# Altium PCB power-v3.1.PcbDoc (part 2 of 3) (continued)
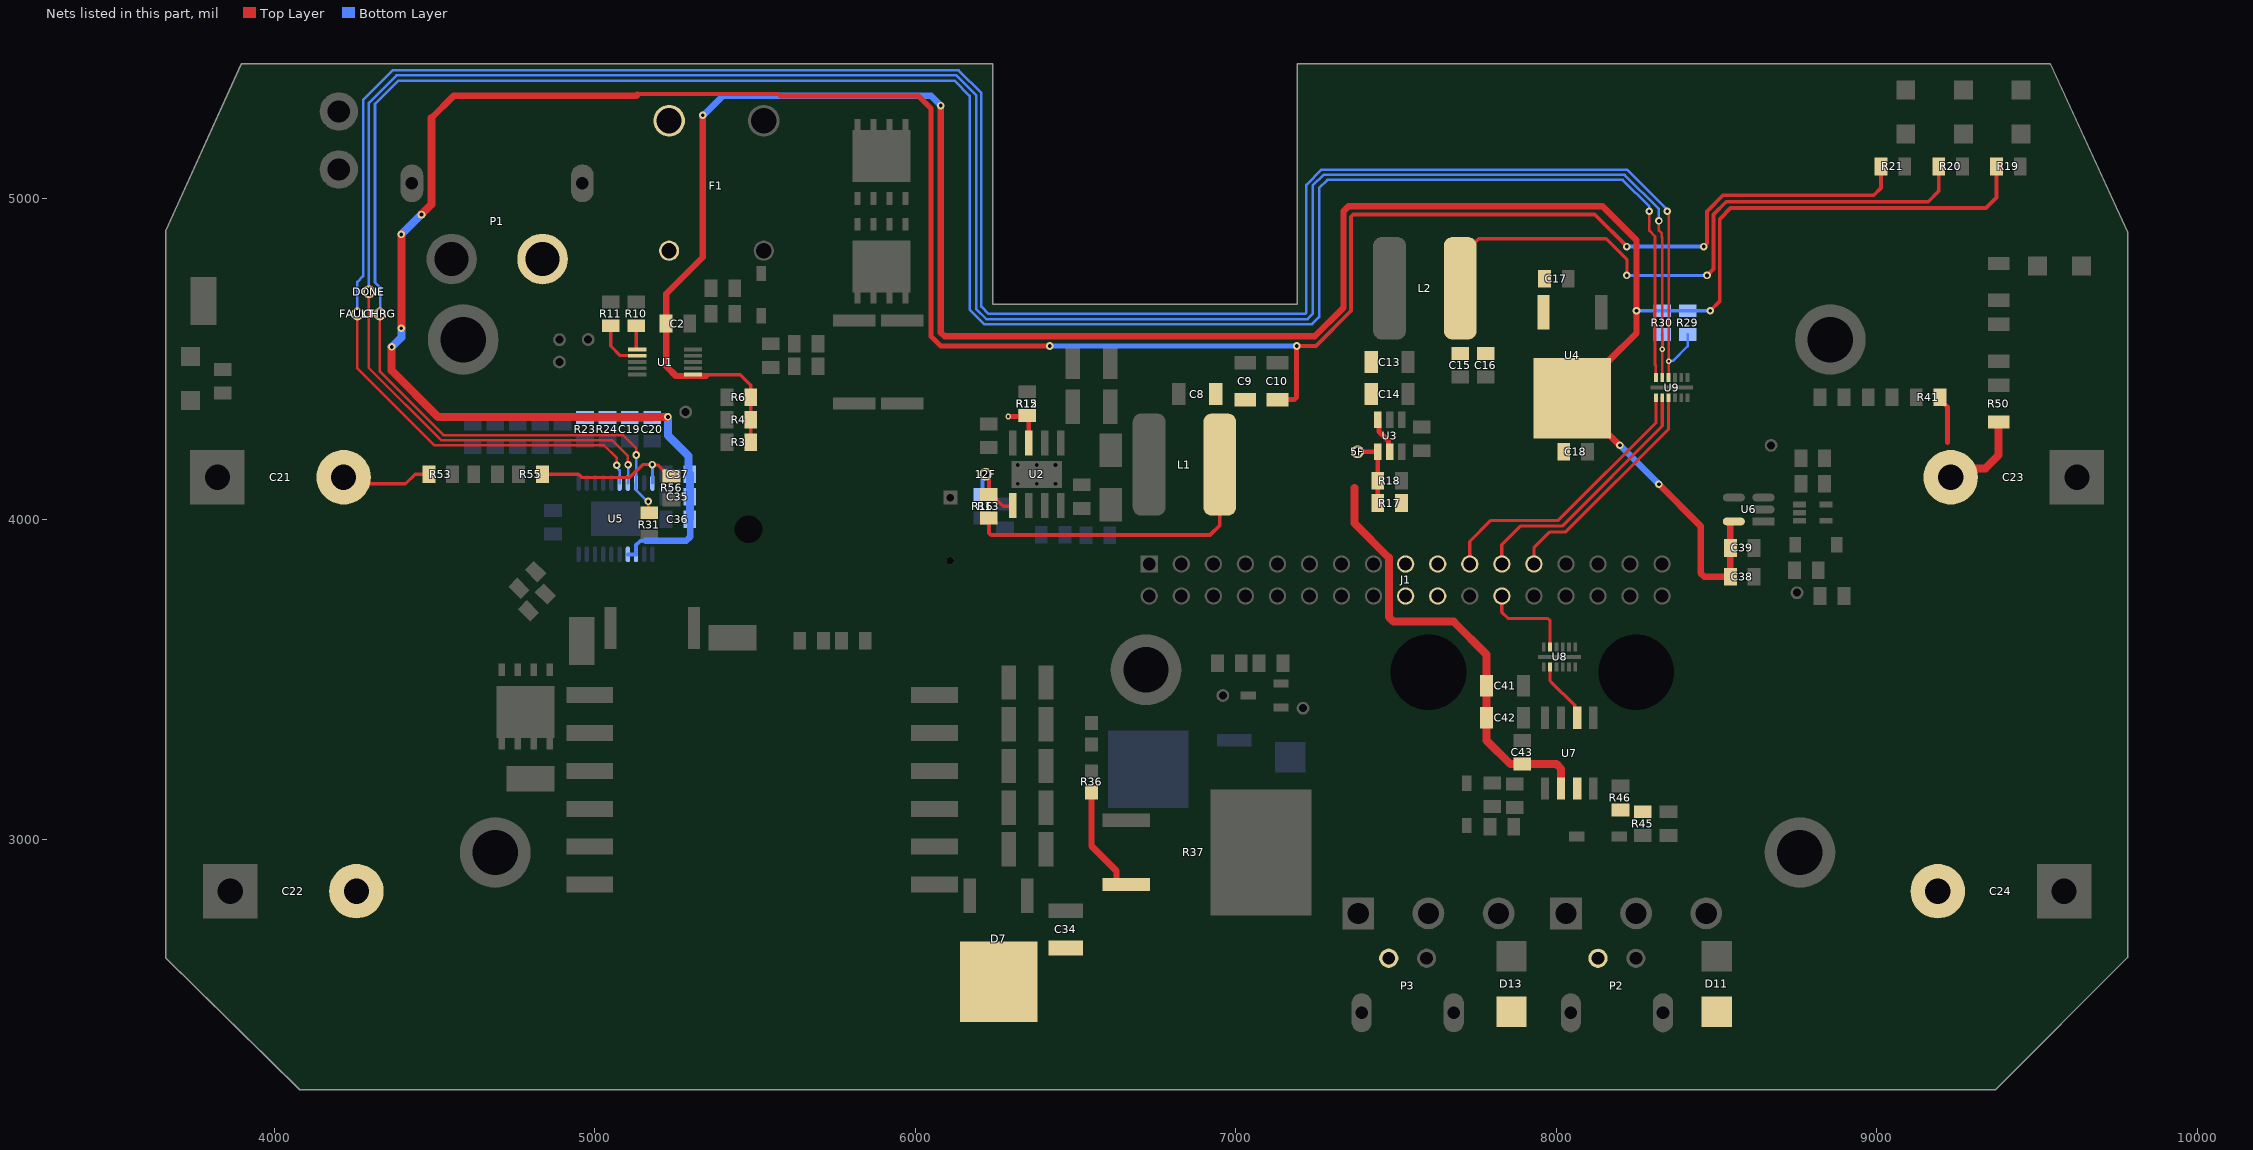
[diagram p2: the nets of this part, all layers, seen from the top]
## Part data (continued)
Q5: "Small Signal N-Ch, 600Vds", MFG="Diodes Incorporated", Supplier=Digikey, Supplier PN=BSS127SSN-7DICT-ND
Q6 Q7: "IGBT Field Stop 600V 150A 750W Through Hole PowerTO-247-3", Package="TO-247 Fairchild Semiconductor", Power=750W, Supplier Part Number 1=FGY75N60SMDFS-ND, Ic max=150A, MF="ON Semiconductor", MP=FGY75N60SMD, Supplier 1=Digi-Key, Topology="Field Stop IGBT", Vce max=600V, Vge max=±20V
R1 R2 R28 R29 R30 R40 R53 R54 R55: library part "RES 100k 1/8W - 1%", "RES SMD 100K OHM 1% 1/8W 0805", Package=0805, Power (Watts)=0.125W, Tolerance=1%
R3 R4 R6 R10 R11 R14 R18 R31 R46 R48: library part "RES 10k 1/8W - 1%", "RES SMD 10K OHM 1% 1/8W 0805", Package=0805, Power (Watts)=0.125W, Tolerance=1%
R5 R9: library part "RES 10.0 1/8W - 1%", "RES SMD 10.0 OHM 1% 1/8W 0805", Package=0805, Power (Watts)=0.125W, Tolerance=1%
R7 R8: library part "RES 2m 1W", "RES SMD 2m OHM 1% 1W 1206", Package=1206, Power (Watts)=1W, Tolerance=1%, Resistance=2mOHM
R12: library part "RES 169k 1/8W", "RES SMD 169K OHM 1% 1/8W 0805", Package=0805, Power (Watts)=0.125W, Tolerance=1%, ComponentLink1Description=digikey, ComponentLink1URL=https://www.digikey.ca/en/products/detail/yageo/RC0805FR-07169KL/727634
R13: library part "RES 10.2k 1/8W", "RES SMD 10.2K OHM 1% 1/8W 0805", Package=0805, Power (Watts)=0.125W, Tolerance=1%, ComponentLink1Description=digikey, ComponentLink1URL=https://www.digikey.ca/en/products/detail/panasonic-electronic-components/ERJ-6ENF1022V/111476
R15: library part "RES 18.7K 1/8W", "RES SMD 18.7K OHM 1% 1/8W 0805", Alternative Package=1206, Package=0805, Power (Watts)=0.125W, Tolerance=1%
R16: library part "RES 732.0 1/8W", "RES SMD 732 OHM 1% 1/8W 0805", Package=0805, Power (Watts)=0.125W, Tolerance=1%
R17: library part "RES 56.2k 1/10W", "RES SMD 56.2K OHM 1% 1/10W 0603", Package=0603, Power (Watts)=0.1W, Tolerance=1%
R19 R45 R47: library part "RES 110.0 1/8W - 1%", "RES SMD 110 OHM 1% 1/8W 0805", Package=0805, Power (Watts)=0.125W, Tolerance=1%
R20: library part "RES 270.0 1/8W", "RES SMD 270 OHM 5% 1/8W 0805", Package=0805, Power (Watts)=0.125W, Tolerance=5%
R21: library part "RES 1k 1/8W", "RES SMD 1K OHM 5% 1/8W 0805", Package=0805, Power (Watts)=0.125W, Tolerance=5%
R22: library part "RES 1.96k 1/8W", "RES SMD 1.96K OHM 1% 1/8W 0805", Package=0805, Power (Watts)=0.125W, Tolerance=1%
R23: library part "RES 174k 1/8W", "RES SMD 174K OHM 1% 1/8W 0805", Case Code (Imperial)=0805, Case Code (Metric)=2012, Manufacturer=Yageo, Manufacturer Part Number=RC0805FR-07174KL, Max Operating Temperature=155°C, Max Power Dissipation=125mW, Min Operating Temperature=-55°C, Package Quantity=1, Resistance=174kR, Supplier Part Number 1=311-174KCRCT-ND, Temperature Coefficient=100ppm/°C, Tolerance=1%, Voltage Rating=150V, Case/Package=0805, Category="Chip SMD Resistors", ComponentLink1Description=https://datasheet.ciiva.com/2509/pyu-r-int-thick-7-2509472.pdf?src-supplier=Digi-Key, ComponentLink1URL=https://datasheet.ciiva.com/2509/pyu-r-int-thick-7-2509472.pdf?src-supplier=Digi-Key, ComponentLink2Description=https://datasheet.ciiva.com/2509/pyu-r-int-thick-7-2509471.pdf?src-supplier=Digi-Key, ComponentLink2URL=https://datasheet.ciiva.com/2509/pyu-r-int-thick-7-2509471.pdf?src-supplier=Digi-Key, ComponentLink3Description=https://datasheet.ciiva.com/2509/pyu-r-int-thick-7-2509473.pdf?src-supplier=Digi-Key, ComponentLink3URL=https://datasheet.ciiva.com/2509/pyu-r-int-thick-7-2509473.pdf?src-supplier=Digi-Key, Composition="Thick Film", Contact Plating=Tin,Matte, Depth=1.25mm, Features="Moisture Resistant", Height=0.024inch, Lead Free="Lead Free", Length=2mm, Military Standard=Not, Number of Terminations=2, Packaging="Tape and Reel", Power Rating=125mW, Pricing 1="1=0.10000, 10=0.04000, 100=0.01630, 1000=0.00731, 2500=0.00635 (USD)", Radiation Hardening=No, RoHS=Yes, Stock 1=27863, Supplier 1=Digi-Key, Termination=SMD/SMT, Voltage Rating (DC)=150V, Width=0.049inch
R24: library part "RES 255k 0805", "0805 Resistor, 6A, 0.125W, 25ppm, 0.1%, 255K", Case Code (Imperial)=0805, Case Code (Metric)=2012, Manufacturer=Panasonic, Manufacturer Part Number=ERA-6AEB2553V, Max Operating Temperature=155°C, Max Power Dissipation=125mW, Min Operating Temperature=-55°C, Package Quantity=1, Resistance=255kR, Supplier Part Number 1=P255KDACT-ND, Temperature Coefficient=25ppm/°C, Tolerance=0.1%, Voltage Rating=200V, Voltage Rating (DC)=100V, Case/Package=0805, Category="Chip SMD Resistors", ComponentLink1Description=https://datasheet.ciiva.com/11810/0900766b80eb1d8c-11810615.pdf?src-supplier=RSComponents, ComponentLink1URL=https://datasheet.ciiva.com/11810/0900766b80eb1d8c-11810615.pdf?src-supplier=RSComponents, ComponentLink2Description=https://datasheet.ciiva.com/41450/001181380-da-01-en-widerstand-era-0805-255k-0-1-5000st-41450539.pdf?src-supplier=Conrad, ComponentLink2URL=https://datasheet.ciiva.com/41450/001181380-da-01-en-widerstand-era-0805-255k-0-1-5000st-41450539.pdf?src-supplier=Conrad, ComponentLink3Description=https://datasheet.ciiva.com/5981/485442-5981317.pdf?src-supplier=Farnell, ComponentLink3URL=https://datasheet.ciiva.com/5981/485442-5981317.pdf?src-supplier=Farnell, ComponentLink4Description=https://datasheet.ciiva.com/5981/485442-5981318.pdf?src-supplier=Farnell, ComponentLink4URL=https://datasheet.ciiva.com/5981/485442-5981318.pdf?src-supplier=Farnell, ComponentLink5Description=https://datasheet.ciiva.com/5981/485442-5981319.pdf?src-supplier=Farnell, ComponentLink5URL=https://datasheet.ciiva.com/5981/485442-5981319.pdf?src-supplier=Farnell, ComponentLink6Description=https://datasheet.ciiva.com/5981/485442-5981320.pdf?src-supplier=Farnell, ComponentLink6URL=https://datasheet.ciiva.com/5981/485442-5981320.pdf?src-supplier=Farnell, ComponentLink7Description=https://datasheet.ciiva.com/17206/aoa0000ce26-17206655.pdf?src-supplier=Avnet+Europe, ComponentLink7URL=https://datasheet.ciiva.com/17206/aoa0000ce26-17206655.pdf?src-supplier=Avnet+Europe, Composition="Metal Film,Thin Film", Contact Plating=Tin, Depth=1.25mm, Features="Automotive AEC-Q200", Height=0.5mm, Lead Free="Lead Free", Length=2mm, Military Standard=Not, Mount="Surface Mount", Number of Pins=2, Number of Terminations=2, Packaging="Tape and Reel", Power Rating=125mW, Pricing 1="1=0.36000, 10=0.30200, 100=0.11820, 1000=0.04948, 2500=0.04536 (USD)", Radiation Hardening=No, REACH SVHC="No SVHC", RoHS=Yes, Stock 1=7869, Supplier 1=Digi-Key, Termination=SMD/SMT, Weight=0.000194oz, Width=1.25mm
R25: library part "RES 330k 1/8W - 1%", "RES SMD 274K OHM 1% 1/8W 0805"
R26: library part "RES 495k 1/8W", "RES SMD 499K OHM 1% 1/8W 0805", Case Code (Imperial)=0805, Case Code (Metric)=2012, Manufacturer=Yageo, Manufacturer Part Number=RC0805FR-07499KL, Max Operating Temperature=155°C, Min Operating Temperature=-55°C, Power Rating=125mW, Resistance=499kR, Supplier Part Number 1=311-499KCRCT-ND, Temperature Coefficient=100ppm/°C, Tolerance=1%, Voltage Rating=150V, Case/Package=0805, Category="Chip SMD Resistors", ComponentLink1Description=https://datasheet.ciiva.com/15189/getdatasheetpartid-326570-15189975.pdf?src-supplier=Verical, ComponentLink1URL=https://datasheet.ciiva.com/15189/getdatasheetpartid-326570-15189975.pdf?src-supplier=Verical, Composition="Thick Film", Contact Plating=Tin,Lead,Matte, Depth=1.25mm, Lead Free="Lead Free", Length=2mm, Military Standard=Not, Packaging="Tape and Reel", Pricing 1="1=0.10000, 10=0.04000, 100=0.01630, 1000=0.00731, 2500=0.00635 (USD)", Radiation Hardening=No, RoHS=Yes, Stock 1=2275, Supplier 1=Digi-Key, Termination=SMD/SMT, Voltage Rating (DC)=150V
R27 R33: library part "RES 25.5k 1/8W", "RES SMD 25.5K OHM 0.1% 1/8W 0805", Case Code (Imperial)=0805, Case Code (Metric)=2012, Manufacturer=Panasonic, Manufacturer Part Number=ERA-6AEB2552V, Max Operating Temperature=155°C, Max Power Dissipation=125mW, Min Operating Temperature=-55°C, Package Quantity=1, Resistance=25.5kR, Supplier Part Number 1=P25.5KDACT-ND, Temperature Coefficient=25ppm/°C, Tolerance=0.1%, Voltage Rating=100V, Case/Package=0805, Category="Chip SMD Resistors", ComponentLink1Description=https://datasheet.ciiva.com/11810/0900766b80eb1d8c-11810651.pdf?src-supplier=RSComponents, ComponentLink1URL=https://datasheet.ciiva.com/11810/0900766b80eb1d8c-11810651.pdf?src-supplier=RSComponents, ComponentLink2Description=https://datasheet.ciiva.com/26335/459526-da-01-en-widerstand-0805-era-26335831.pdf?src-supplier=Conrad, ComponentLink2URL=https://datasheet.ciiva.com/26335/459526-da-01-en-widerstand-0805-era-26335831.pdf?src-supplier=Conrad, ComponentLink3Description=https://datasheet.ciiva.com/7870/485442-7870651.pdf?src-supplier=Element14, ComponentLink3URL=https://datasheet.ciiva.com/7870/485442-7870651.pdf?src-supplier=Element14, ComponentLink4Description=https://datasheet.ciiva.com/5987/485442-5987308.pdf?src-supplier=Farnell, ComponentLink4URL=https://datasheet.ciiva.com/5987/485442-5987308.pdf?src-supplier=Farnell, ComponentLink5Description=https://datasheet.ciiva.com/7870/485442-7870652.pdf?src-supplier=Element14, ComponentLink5URL=https://datasheet.ciiva.com/7870/485442-7870652.pdf?src-supplier=Element14, ComponentLink6Description=https://datasheet.ciiva.com/30151/54aoa0000ce26-30151583.pdf?src-supplier=Onlinecomponents.com, ComponentLink6URL=https://datasheet.ciiva.com/30151/54aoa0000ce26-30151583.pdf?src-supplier=Onlinecomponents.com, ComponentLink7Description=https://datasheet.ciiva.com/9191/aoa0000ce26-9191422.pdf?src-supplier=Avnet, ComponentLink7URL=https://datasheet.ciiva.com/9191/aoa0000ce26-9191422.pdf?src-supplier=Avnet, Composition="Metal Film,Thin Film", Contact Plating=Tin, Depth=1.25mm, Features="Automotive AEC-Q200", Height=0.5mm, Lead Free="Lead Free", Length=2mm, Military Standard=Not, Mount="Surface Mount", Number of Pins=2, Number of Terminations=2, Packaging="Tape and Reel", Power Rating=125mW, Pricing 1="1=0.36000, 10=0.30200, 100=0.11820, 1000=0.04948, 2500=0.04536 (USD)", Radiation Hardening=No, RoHS=Yes, Stock 1=5872, Supplier 1=Digi-Key, Termination=Solder, Voltage Rating (DC)=100V, Width=1.25mm
R32: library part "RES 11.5k 1/8W", "RES SMD 11.5K OHM 0.1% 1/8W 0805 Thin Film", Case Code (Imperial)=0805, Case Code (Metric)=2012, Manufacturer=Panasonic, Manufacturer Part Number=ERA-6AEB1152V, Max Operating Temperature=155°C, Max Power Dissipation=125mW, Min Operating Temperature=-55°C, Package Quantity=1, Resistance=11.5kR, Supplier Part Number 1=P11.5KDACT-ND, Temperature Coefficient=25ppm/°C, Tolerance=0.1%, Voltage Rating=100V, Case/Package=0805, Category="Chip SMD Resistors", ComponentLink1Description=https://datasheet.ciiva.com/11810/0900766b80eb1d8c-11810868.pdf?src-supplier=RSComponents, ComponentLink1URL=https://datasheet.ciiva.com/11810/0900766b80eb1d8c-11810868.pdf?src-supplier=RSComponents, ComponentLink2Description=https://datasheet.ciiva.com/41450/001181306-da-01-en-widerstand-era-0805-11k5-0-1-5000st-41450464.pdf?src-supplier=Conrad, ComponentLink2URL=https://datasheet.ciiva.com/41450/001181306-da-01-en-widerstand-era-0805-11k5-0-1-5000st-41450464.pdf?src-supplier=Conrad, ComponentLink3Description=https://datasheet.ciiva.com/5987/485442-5987301.pdf?src-supplier=Farnell, ComponentLink3URL=https://datasheet.ciiva.com/5987/485442-5987301.pdf?src-supplier=Farnell, ComponentLink4Description=https://datasheet.ciiva.com/7829/485442-7829142.pdf?src-supplier=Element14, ComponentLink4URL=https://datasheet.ciiva.com/7829/485442-7829142.pdf?src-supplier=Element14, ComponentLink5Description=https://datasheet.ciiva.com/17211/aoa0000ce26-17211855.pdf?src-supplier=Avnet+Europe, ComponentLink5URL=https://datasheet.ciiva.com/17211/aoa0000ce26-17211855.pdf?src-supplier=Avnet+Europe, ComponentLink6Description=https://datasheet.ciiva.com/7829/485442-7829143.pdf?src-supplier=Element14, ComponentLink6URL=https://datasheet.ciiva.com/7829/485442-7829143.pdf?src-supplier=Element14, ComponentLink7Description=https://datasheet.ciiva.com/9193/aoa0000ce26-9193735.pdf?src-supplier=Avnet, ComponentLink7URL=https://datasheet.ciiva.com/9193/aoa0000ce26-9193735.pdf?src-supplier=Avnet, ComponentLink8Description=https://datasheet.ciiva.com/24024/aoa0000ce26-197354-24024328.pdf?src-supplier=Mouser, ComponentLink8URL=https://datasheet.ciiva.com/24024/aoa0000ce26-197354-24024328.pdf?src-supplier=Mouser, Composition="Thin Film,Metal Film", Contact Plating=Tin, Depth=1.25mm, Features="Automotive AEC-Q200", Height=0.5mm, Lead Free="Lead Free", Length=2mm, Military Standard=Not, Mount="Surface Mount", Number of Pins=2, Number of Terminations=2, Packaging="Tape and Reel", Power Rating=125mW, Pricing 1="1=0.34000, 10=0.28800, 100=0.11260, 1000=0.04712, 2500=0.04320 (USD)", Radiation Hardening=No, RoHS=Yes, Stock 1=10661, Supplier 1=Digi-Key, Termination=Solder, Voltage Rating (DC)=100V, Width=1.25mm
R34: library part "RES 7m 3W", "RES SMD 7m OHM 1% 3W 2512", Package=1206, Power (Watts)=3W, Tolerance=1%, MFG=VISHAY, Resistance=7mOHM
R35: library part "RES 1.05k 1/8W", "RES SMD 1.05K OHM 0.1% 1/8W 0805", Package=0805, Supplier Part Number 1=P1.05KDACT-ND, Tolerance=0.1%, Supplier 1=Digi-Key, Wattage=0.125W
R36 R38: library part "RES 5.1M 1/8W-5%", "RES SMD 5.1 MOHM 5% 1/8W 0805", Package=0805, Power (Watts)=0.125W, Tolerance=5%
R37: library part "RES 1.5k 50W", "RES SMD 1.5K OHM 1% 50W D2PAK", Package="D2PAK (TO-263)", Power (Watts)=50W, Tolerance=1%
R39: library part "RES 270k 1/8W", "RES SMD 270K OHM 5% 1/8W 0805", Package=0805, Power (Watts)=0.125W, Tolerance=5%
R41 R42 R43: library part "RES 330k 1/8W - 5%", "RES SMD 330K OHM 5% 1/8W 0805", Package=0805, Power (Watts)=0.125W, Tolerance=5%
R44: library part "RES 13k 1/8W", "RES SMD 13K OHM 5% 1/8W 0805", Package=0805, Power (Watts)=0.125W, Tolerance=5%
R49: library part "RES 100.0 1/8W", "RES SMD 100 OHM 5% 1/8W 0805", Package=0805, Power (Watts)=0.125W, Tolerance=5%
R50 R51 R52: library part "RES 10k 1W", "RES SMD 10K OHM 1% 1W 1206", Package=0805, Power (Watts)=0.125W, Tolerance=1%
R56: library part "RES 1.6k 1/8W", "RES SMD 1.6K OHM 5% 1/8W 0805", Package=0805, Power (Watts)=0.125W, Tolerance=5%
S1: library part "SW SLIDE", "SWITCH SLIDE SPST 8.5A 125V", Rating="8.5A 125V", ComponentLink1Description=Digikey, ComponentLink1URL=https://www.digikey.ca/product-detail/en/zf-electronics/SRB22A2FBBNN/CH755-ND/446021, ComponentLink2Description=Datasheet, ComponentLink2URL=http://switches-sensors.zf.com/us/wp-content/uploads/sites/7/2012/10/Rocker_SRB_Datasheet1.pdf, Digikey=CWI333-ND, Digikey Link=https://www.digikey.com/en/products/detail/cw-industries/GF-123-0054/4089770, MF="CW Industries", MP=GF-123-0054, Price="1.25 CAD"
T1: "Audio Transformers / Signal Transformers DA2032 Cap Chrgr For Linear LT3750/51", Supplier Part Number 1=994-DA2034-ALB, Supplier 1=Mouser
U1: library part "IC INA226AIDGSR", "36-V, Bi-Directional, Ultra-High Accuracy, Low-/High-Side, I2C Out Current/Power Monitor w/ Alert 10-VSSOP -40 to 125", Package="MSOP-10 Texas Instruments", Supplier Part Number 1=296-29034-6-ND, Digikey=296-29034-1-ND, Digikey Link=https://www.digikey.ca/product-detail/en/texas-instruments/INA226AIDGSR/296-29034-1-ND/2687118, MF="Texas Instruments", MP=INA226AIDGSR, Price=None, SnapEDA_Link=https://www.snapeda.com/parts/INA226AIDGSR/Texas%20Instruments/view-part/53552/?ref=snap, Supplier 1=Digi-Key
U2: "Buck Switching Regulator IC Positive Adjustable 0.8V 1 Output 5A 8-PowerSOIC _0.154, 3.90mm Width_", Package="SO-8 Texas Instruments", Supplier Part Number 1=296-36206-5-ND, MF="Texas Instruments", MP=TPS54531DDA, Price=None, SnapEDA_Link=https://www.snapeda.com/parts/TPS54531DDA/Texas%20Instruments/view-part/289535/?ref=snap, Supplier 1=Digi-Key
U3: "Buck Switching Regulator IC Positive Adjustable 0.76V 1 Output 3A SOT-23-6 Thin, TSOT-23-6", Package="TSOT-23 Texas Instruments", Supplier Part Number 1=296-43663-1-ND, Availability=Unavailable, MF="Texas Instruments", MP=TPS563200DDCR, Price=None, SnapEDA_Link=https://www.snapeda.com/parts/TPS563200DDCR/Texas%20Instruments/view-part/71685/?ref=snap, Supplier 1=Digi-Key
U4: "Linear Voltage Regulator IC Positive Fixed 1 Output  1A TO-252-3", Package=TO-252-3, Supplier Part Number 1=ZLDO1117K33DICT-ND, Digikey=ZLDO1117K33DIDKR-ND, Digikey Link=https://www.digikey.ca/product-detail/en/diodes-incorporated/ZLDO1117K33TC/ZLDO1117K33DIDKR-ND/2095639, MF="Diodes Incorporated", MP=ZLDO1117K33TC, Supplier 1=Digi-Key
U5: "Controller to 20-Pin TSSOP EP", Case/Package=TSSOP, Manufacturer="Analog Devices / Linear Technology", Max Input Voltage=24V, Max Operating Temperature=125°C, Min Operating Temperature=-40°C, Min Supply Voltage=4.75V, Operating Supply Current=5.5mA, Output Current=150mA, Output Voltage=500V, Package Quantity=74, Category="Voltage Regulators - Switching", ComponentLink1Description=https://datasheet.ciiva.com/15104/getdatasheetpartid-472813-15104438.pdf?src-supplier=Verical, ComponentLink1URL=https://datasheet.ciiva.com/15104/getdatasheetpartid-472813-15104438.pdf?src-supplier=Verical, ComponentLink2Description=https://datasheet.ciiva.com/31429/1692507-31429494.pdf?src-supplier=Farnell, ComponentLink2URL=https://datasheet.ciiva.com/31429/1692507-31429494.pdf?src-supplier=Farnell, ComponentLink3Description=https://datasheet.ciiva.com/1964/27024-1964843.pdf?src-supplier=Digi-Key, ComponentLink3URL=https://datasheet.ciiva.com/1964/27024-1964843.pdf?src-supplier=Digi-Key, Manufacturer Part Number=LT3751EFE#PBF, Max Supply Voltage=24V, Number of Outputs=1, Number of Pins=20, Packaging=Rail/Tube, Pricing 1="1=9.26000, 25=6.14640, 100=5.08200, 250=4.82792, 500=4.71900 (USD)", Radiation Hardening=No, REACH SVHC="No SVHC", RoHS=Yes, Stock 1=1231, Supplier 1=Digi-Key, Termination=SMD/SMT
U6: library part "OP AMP MIC7300YM5-TR", "IC OPAMP GP 1 CIRCUIT SOT23-5", Input Bias Current=0.0000005uA, Input Offset Voltage=1mV, Manufacturer=Microchip, Max Junction Temp=+85°C, Max Supply Voltage=10V, Min Supply Voltage=2.2V, Nominal Supply Current=0.7-1.5mA, Package=SOT23-5LD-PL-1, Supplier Part Number 1=576-1319-1-ND, Temperature="-40°C to +85°C", Temperature Range Low=-40°C, Voltage Gain=300-340V/mV, Automotive=No, Category=IC, ComponentLink2Description=Datasheet, ComponentLink2URL=http://www.microchip.com/mymicrochip/filehandler.aspx?ddocname=en580613, Device Class L1="Integrated Circuits (ICs)", Device Class L2="Linear ICs", Device Class L3="Amplifiers - Op Amps", Digikey Description="IC OPAMP GP 1 CIRCUIT SOT23-5", Footprint Url=https://ww1.microchip.com/downloads/en/PackagingSpec/00000049CH.pdf, Gain Bandwidth=0.55MHz, Height=1.45mm, Lead Free=Yes, Manufacturer Part Number=MIC7300YM5-TR, Mouser Description="Operational Amplifiers - Op Amps", Number Of Channels=1, Octopart=https://octopart.com/mic7300ym5-tr-microchip-66803593, RoHS=TRUE, Standoff Height=0mm, Supplier 1=Digi-Key, Temperature Range High=+85°C
U7: "Low-Side Gate Driver IC Non-Inverting 8-SOIC", Package="SOIC-8 Infineon", Supplier Part Number 1=IR4427SPBFCT-ND, Availability=Unavailable, MF="Infineon Technologies", MP=IR4427STRPBF, Price=None, SnapEDA_Link=https://www.snapeda.com/parts/IR4427STRPBF/Infineon%20Technologies/view-part/1815787/?ref=snap, Supplier 1=Digi-Key
U8 U9: library part "EMI FILTER TPD6F002DSVR", "6-Channel EMI Filter for Display Interface", Manufacturer="Texas Instruments", PACKAGE_DESIGNATOR=DSV, Copyright="Copyright (C) 2018 Accelerated Designs. All rights reserved", Datasheet_URL=http://www.ti.com/lit/gpn/TPD6F002, FAMILY_NAME="EMI Solution", GENERIC_PART_NUMBER=TPD6F002, INDUSTRY_STD_PKG_TYPE=SON, Manufacturer_Part_Number=TPD6F002DSVR, PIN_COUNT=12, RefDes=RefDes, Type=DEV, Vendor="Texas Instruments"

## Free pads (board coordinates)
  round 0 hole 86.61 unplated: 3(5480,3968.43)
  round 0 hole 236.22 unplated: 4(7601.1,3521.97) 4(8248.9,3521.97)
  round 220.47 hole 141.73: ""(4590,4560) ""(4690,2960) ""(6720,3530) ""(8760,2960) ""(8854.82,4560)

## Via types
v1: diameter 23.62, hole 15.75, Top Layer to Bottom Layer, 395 vias
v2: diameter 23.62, hole 11.81, Top Layer to Bottom Layer, 98 vias
v3: diameter 17.72, hole 7.87, Top Layer to Bottom Layer, 8 vias
v4: diameter 19.68, hole 7.87, Top Layer to Bottom Layer, 6 vias
v5: diameter 228.35, hole 141.73, Top Layer to Bottom Layer, 5 vias

## Nets (pads, with @x,y where several pads share a name; then routed paths per layer and width w, separated by ;. In a path a pad name is that pad's centre, name@x,y a point inside that pad or via, vN(x,y) a via of type N, cw(c..) or ccw(c..) an arc to the next point about the centre after c; other vN are vias at no path point)
3V3: C2.2 C18.1 C38.2 C39.1 J1.19 J1.20 R3.1 R4.1 R6.1 R19.1 R29.2 R30.2 U1.6 U4.2 U6.5 | length 8425.6
  Top Layer w10: 5346.41,4446.41 5350.5,4450.5 5454,4450.5 5487,4417.5 5487,4410
  Top Layer w12: R3.1@5487,4260 5487,4340 5487,4410 ; v2(8480,4650) 8510,4680 8510,4936.22 8543.78,4970 9340,4970 9373,5003 R19.1@9373,5100
  Top Layer w20: v2(5337.19,5260) 5337.19,4817.19 5223,4703 C2.2@5223,4610 5223,4477 5253.59,4446.41 5346.41,4446.41 ; v2(6080,5290) 6080,4581.72 6091.72,4570 7246.37,4570 7336,4659.63 7336,4960.28 7351.72,4976 8144,4976 8250,4870 v2(8250,4650) 8250,4580 8162.98,4492.98 8160.83,4492.98 U4.2@8152.97,4485.12 ; C18.1@8023,4202.5 C18.1@8023,4210 ; U4.2@8133.56,4465.71 8133.56,4463.56 8050,4380 U4.2@8050,4377 8197,4230 v2(8198.5,4230) ; v3(8320,4108.5) 8450,3978.5 8450,3831.72 8461.72,3820 C38.2@8543,3820 C39.1@8543,3910 8543,3990.75 8544.85,3992.6 U6.5@8553.73,3992.6
  Top Layer w25: U4.2@8137.12,4460 U4.2@8157.6,4480.48
  Bottom Layer w12: v2(8250,4650) v2(8480,4650)
  Bottom Layer w20: v2(5337.19,5260) 5337.88,5260.69 5340.69,5260.69 5400,5320 6050,5320 v2(6080,5290) ; v2(8198.5,4230) v3(8320,4108.5)
  other v2: 8320,4108.5
5V: C15.2 C16.2 C17.1 J1.17 J1.18 L2.2 R17.1 R20.1 U4.3 | length 1976.1
  Top Layer w10: L2.2@7700.24,4720 7700.24,4817.12 7757.91,4874.8 8155.2,4874.8 8220,4810 v2(8220,4760)
  Top Layer w12: v2(8470,4760) 8490,4780 8490,4950 8530,4990 9160,4990 9193,5023 R20.1@9193,5100
  Bottom Layer w10: v2(8220,4760) v2(8470,4760)
5V_VFB: 5F.1 R17.2 R18.2 U3.4 | length 223.6
  Top Layer w15: 5F.1@7380,4210 7442.01,4210 U3.4@7442.6,4210.59 7442.8,4210.39 7442.8,4120.2 R18.2@7443,4120 R17.2@7443,4050
12V: C8.2 C9.2 C10.2 C13.2 C14.2 C19.2 C20.2 C35.1 C36.1 C37.1 C41.1 C42.1 C43.2 L1.2 R13.2 R21.1 R23.2 R24.2 U3.3 U3.5 U5.13 U5.14 U7.6 | length 11244.9
  Top Layer w12: 5133.52,5323.52 5135.97,5325.97 5574.03,5325.97 5579.44,5320.56 5580.56,5320.56 ; R13.2@6230,4003 6230,3957.03 6237.03,3950 6920,3950 6950.24,3980.24 L1.2@6950.24,4170 ; v2(7190,4540) 7250.31,4540 7360,4649.69 7360,4942.97 7367.03,4950 8120,4950 v2(8220,4850) ; v2(8460,4850) 8470,4860 8470,4960 8520,5010 8990,5010 9013,5033 R21.1@9013,5100
  Top Layer w16: 5580.56,5320.56 5581.11,5320 6010,5320 6049.5,5280.5 6049.5,4570.5 6080,4540 v2(6420,4540) ; C10.2@7130,4372.52 7182.52,4372.52 7190,4380 v2(7190,4540) ; U3.3@7442.6,4309.41 7446.41,4305.6 7446.41,4273.59 7476.19,4243.81 7476.19,4214.4 U3.5@7480,4210.59
  Top Layer w20: 4490.64,5250.64 4560,5320 5130,5320 5133.52,5323.52
  Top Layer w25: v2(4366.97,4536.97) 4366.97,4463.03 4511.23,4318.77 v2(5228.77,4318.77) ; v2(4396.94,4595.37) 4397.5,4595.94 4397.5,4887.34 v2(4396.97,4887.87) ; v2(4460,4950) 4460,4950.9 4490.64,4981.54 4490.64,5250.64 ; 7370,4096.99 7370,3987.13 7477.47,3879.66 7477.47,3694.64 7492.11,3680 7680,3680 7782.52,3577.48 C42.1@7782.52,3380 7782.52,3309.65 7856.48,3235.69 C43.2@7893.49,3235.69 8000.65,3235.69 8015.3,3221.04 8015.3,3189.63 U7.6@8015.29,3159.76
  Bottom Layer w12: U5.14@5103.54,3890 U5.13@5129.13,3890 5129.47,3890.34 5129.47,3919.47 5142.61,3932.61 5160,3932.61 ; v2(8220,4850) v2(8460,4850)
  Bottom Layer w16: v2(6420,4540) v2(7190,4540)
  Bottom Layer w20: 5160,3932.61 5285.98,3932.61 5297.7,3944.32 5297.7,3999.3 C36.1@5297,4000
  Bottom Layer w25: v2(4366.97,4536.97) 4396.94,4566.94 v2(4396.94,4595.37) ; v2(4396.97,4887.87) 4459.1,4950 v2(4460,4950) ; R23.2@4970,4317 R24.2@5040,4317 C19.2@5110,4317 C20.2@5180,4317 5181.77,4318.77 v2(5228.77,4318.77) 5228.77,4261.23 5293.23,4196.77 5293.23,4143.77 C37.1@5297,4140 C35.1@5297,4070 C36.1@5297,4000
12V_EN: R12.2 R15.1 U2.3 | length 210.2
  Top Layer w15: v3(6290,4320) 6347,4320 R12.2@6350,4323 6354.06,4318.94 U2.3@6354.06,4236.97
  Bottom Layer w15: v3(6290,4320) 6290.52,4320.52 6347.52,4320.52 R15.1@6350,4323
12V_VSENSE: 12F.1 R13.1 R16.2 U2.5 | length 229.1
  Top Layer w12: 12F.1@6220,4140 6220,4132.42 6230,4122.42 R13.1@6230,4077 6237.5,4077 6274.5,4040 6298.24,4040 6302.24,4036 U2.5@6302.24,4033
  Top Layer w20: U2.5@6302.24,4033 U2.5@6304.06,4034.81
  Bottom Layer w12: R16.2@6210,4077 6210,4122.42 6220,4132.42 12F.1@6220,4140
+HV: C21.POS C22.POS C23.POS C24.POS C34.1 D7.2 D11.C D13.C P2.1 P3.1 R36.2 R37.2 R41.2 R50.2 R53.2 | length 1023.9
  Top Layer w10: C21.POS@4216.98,4130.5 4237.48,4110 4410,4110 4440,4140 R53.2@4483,4140
  Top Layer w15: R41.2@9197,4373 9197,4372.5 9209.5,4360 9210,4360 9220,4350 9220,4239.33
  Top Layer w20: R36.2@6550,3140 6550,2980 6628.03,2901.97 R37.2@6628.03,2860
  Top Layer w25: C23.POS@9230.11,4130.5 9257.86,4158.24 9338.24,4158.24 9380,4200 R50.2@9380,4302.52
+VBAT: F1.3 F1.4 P1.2
A0_SEL: R11.1 U1.2 | length 158.9
  Top Layer w10: R11.1@5050,4603 5050,4540 5080,4510 5133.07,4510 U1.2@5133.39,4509.69
A1_SEL: R10.1 U1.1 | length 76.5
  Top Layer w10: R10.1@5130,4603 5130,4530.28 5130.91,4529.37 U1.1@5133.39,4529.37
CHARGE: CHRG.1 R31.2 U5.8 U9.6 | length 7669.4
  Top Layer w8: CHRG.1@4330,4640 4330,4460 4528,4262 5088,4262 5130,4220 v2(5130,4200) ; v2(5167.55,4055.18) 5167.55,4022.45 R31.2@5170,4020 ; v2(8290,4960) 8290,4900 8307.83,4882.17 8307.83,4481.36 8310.79,4478.41 U9.6@8310.79,4441.5
  Bottom Layer w8: CHRG.1@4330,4640 4330.97,4640.97 4330.97,4722.49 4314.97,4738.49 4314.97,5294.97 4388,5368 6122,5368 6169.79,5320.21 6169.79,4653.3 6215.09,4608 7238,4608 7260,4630 7260,5032.24 7285.76,5058 8206.75,5058 8290,4974.75 v2(8290,4960) ; v2(5130,4200) 5130,4113.31 U5.8@5129.13,4112.44 5129.13,4093.16 5132.02,4090.27 5132.02,4087.98 5162.96,4057.04 5165.69,4057.04 v2(5167.55,4055.18)
CHARGE_OB: J1.21 U9.7 | length 882.1
  Top Layer w10: J1.21@7730,3860 7730,3930 7796,3996 8006,3996 8310.79,4300.79 U9.7@8310.79,4378.5
CHIP: U7.2 U8.2 | length 193.4
  Top Layer w10: U8.2@7980.47,3538.5 7980.39,3538.42 7980.39,3495.86 7986.24,3490 8057.2,3419.04 8057.2,3388.03 U7.2@8065,3380.24
CHIP_GATE: R45.2 R46.1 U7.7
CHIP_OB: J1.24 U8.11 | length 293.4
  Top Layer w10: J1.24@7830,3760 7830,3710 7850,3690 7974.14,3690 7980,3684.14 U8.11@7980,3601.5
DONE: DONE.1 R30.1 U5.7 U9.5 | length 7641.2
  Top Layer w8: DONE.1@4296.07,4709.06 4295.44,4708.42 4295.44,4471.94 4521.37,4246 5054,4246 5103.51,4196.49 5103.51,4170.43 v2(5104.31,4169.63) ; v2(8320,4930) 8320,4900 8329.53,4890.47 8329.53,4879.26 8330,4878.78 8330,4441.97 U9.5@8330.47,4441.5
  Bottom Layer w8: DONE.1@4296.07,4709.06 4295.6,4709.53 4295.6,5298.22 4381.37,5384 6128.63,5384 6190.27,5322.36 6190.27,4655.45 6221.71,4624 7224,4624 7240,4640 7240,5040 7274,5074 8213.37,5074 8320,4967.37 v2(8320,4930) ; U5.7@5103.54,4112.44 5104.31,4113.21 v2(5104.31,4169.63) ; v3(8330,4530) 8330,4573.39 8328.69,4574.69 R30.1@8330,4576
DONE_OB: J1.23 U9.8 | length 802
  Top Layer w10: J1.23@7830,3860 7830,3920 7888,3978 8018,3978 8330.47,4290.47 U9.8@8330.47,4378.5
FAULT: FAULT.1 R29.1 U5.6 U9.4 | length 7773.3
  Top Layer w8: FAULT.1@4260,4640 4260,4470 4500,4230 5030,4230 5069.33,4190.67 v2(5069.33,4167.73) ; v2(8346.19,4960) 8350.86,4955.33 v3(8350.86,4492.81) 8350.51,4492.46 8350.51,4443.49 U9.4@8350,4442.98
  Bottom Layer w8: FAULT.1@4260,4640 4260,4740 4278,4758 4278,5308 4370,5400 6135.25,5400 6206.34,5328.92 6206.34,4662.51 6228.85,4640 7215.31,4640 7220,4644.69 7220,5042.63 7267.37,5090 8220,5090 8346.19,4963.81 v2(8346.19,4960) ; v2(5069.33,4167.73) 5069.33,4160.67 5077.95,4152.05 U5.6@5077.95,4112.44 ; v3(8350.86,4492.81) 8351.63,4493.58 8363.58,4493.58 8410,4540 R29.1@8410,4576
FAULT_OB: J1.25 U9.9 | length 716.3
  Top Layer w10: J1.25@7930,3860 7930,3910 7980,3960 8030,3960 8350,4280 U9.9@8350,4373.06
FB: R55.1 R56.2 U5.10 | length 496.3
  Top Layer w10: R55.1@4837,4140 4950,4140 4960,4130 5110,4130 5150,4170 v2(5180,4170) 5181.48,4168.52 5197.98,4168.52 5232.5,4134 R56.2@5240,4134
  Bottom Layer w10: v2(5180,4170) 5180.16,4169.84 5180.16,4112.6 U5.10@5180.31,4112.44